# Altium PCB PCB.PcbDoc (part 2 of 2)
Units mm, origin at the board's own origin, x right, y up, seen from the top; angles counter-clockwise.
Board outline 50.2 x 86 mm, 6 copper layers (L1_Top (Sig), L2 (GND), L3 (Power), L4 (Sig), L5 (GND), L6_Bottom (Sig)), stack 1.538 mm thick; 115 components, 84 nets, 473 pads, 257 vias.
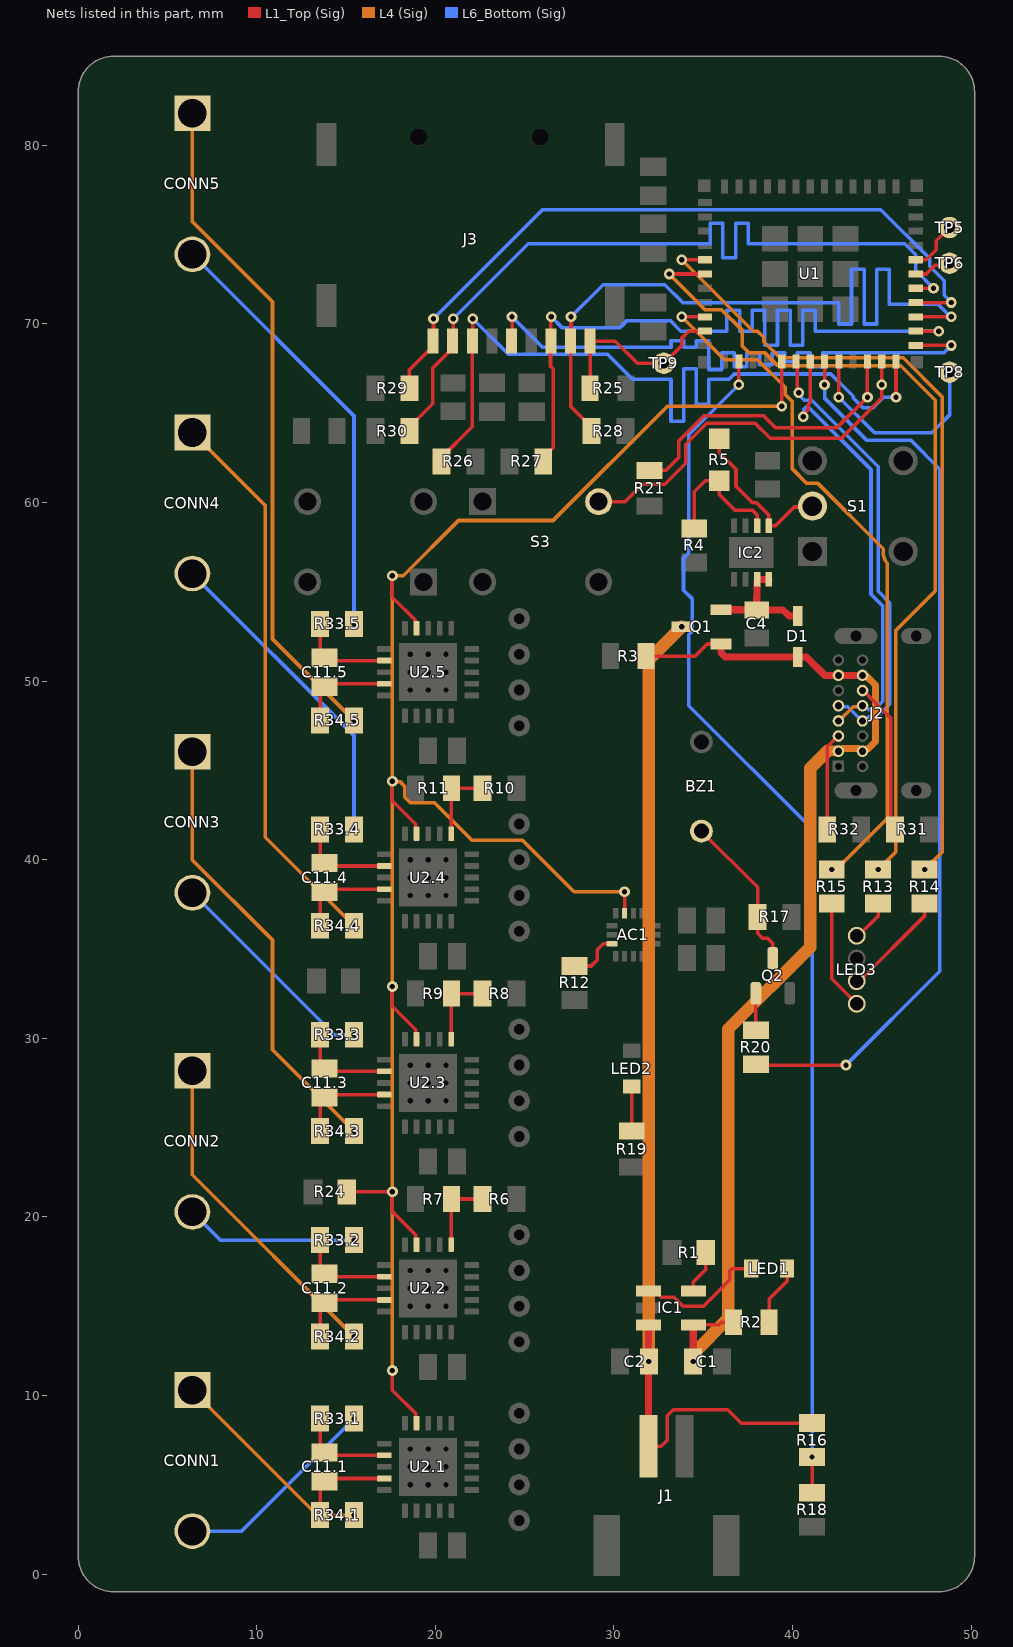
[diagram p6: the nets of this part, all layers, seen from the top]

## Via types
v1: diameter 0.6, hole 0.3, L1_Top (Sig) to L6_Bottom (Sig), tented both sides, 257 vias

## Nets (pads, with @x,y where several pads share a name; then routed paths per layer and width w, separated by ;. In a path a pad name is that pad's centre, name@x,y a point inside that pad or via, vN(x,y) a via of type N, cw(c..) or ccw(c..) an arc to the next point about the centre after c; other vN are vias at no path point) (continued)
IO7/SCL: AC1.4 R24.2 U1.16 U2.1.19 U2.2.19 U2.3.19 U2.4.19 U2.5.19 | length 110
  L1_Top (Sig) w0.2: R24.2@15.05,21.4 15.775,21.4 v1(17.6,21.4) 17.6,20.3 18.915,18.985 18.915,18.814 18.94,18.789 18.94,18.46 U2.2.19@18.95,18.45 ; v1(17.6,11.4) 17.6,10.3 18.915,8.985 18.915,8.814 18.94,8.789 18.94,8.46 U2.1.19@18.95,8.45 ; v1(17.6,32.9) 17.6,31.8 18.915,30.485 18.915,30.314 18.94,30.289 18.94,29.96 U2.3.19@18.95,29.95 ; v1(17.6,44.4) 17.6,43.3 18.915,41.985 18.915,41.814 18.94,41.789 18.94,41.46 U2.4.19@18.95,41.45 ; v1(17.6,55.9) 17.6,54.7 18.89,53.41 18.89,53.01 U2.5.19@18.95,52.95 ; AC1.4@30.6,37 v1(30.6,38.2) ; v1(39.4,65.4) U1.16@39.4,67.9
  L4 (Sig) w0.2: v1(17.6,11.4) v1(17.6,55.9) 18.209,55.9 21.305,58.996 26.596,58.996 33,65.4 v1(39.4,65.4) ; v1(17.6,44.4) 17.624,44.376 18.024,44.376 18.3,44.1 18.3,43.5 18.6,43.2 19.949,43.2 22.049,41.1 24.873,41.1 27.773,38.2 v1(30.6,38.2)
IO9/BOOT: S3.2 U1.23 | length 21.6
  L1_Top (Sig) w0.2: S3.2@29.15,60.05 30.626,60.05 31.601,61.025 32.849,61.025 34.025,62.201 34.025,63.274 35.201,64.45 37.9,64.45 38.75,63.6 42.749,63.6 45,65.851 v1(45,66.6) 45,67.3 U1.23@45,67.9
IO14: R20.1 U1.19 | length 50.8
  L1_Top (Sig) w0.2: R20.1@37.95,28.55 38,28.5 v1(43,28.5) ; v1(41.8,66.6) 41.8,67.3 U1.19@41.8,67.9
  L6_Bottom (Sig) w0.2: v1(41.8,66.6) 41.8,65.851 44.151,63.5 46.62,63.5 48.25,61.87 48.25,33.75 v1(43,28.5)
IO15: TP8.TP U1.20 | length 11.8
  L1_Top (Sig) w0.2: v1(42.6,65.9) U1.20@42.6,67.9
  L6_Bottom (Sig) w0.2: v1(42.6,65.9) 44.6,63.9 47.8,63.9 48.8,64.9 TP8.TP@48.8,67.3
IO16: TP5.TP U1.31 | length 2.9
  L1_Top (Sig) w0.2: U1.31@46.9,73.6 47.5,73.6 48.054,74.154 48.054,74.654 TP5.TP@48.8,75.4
IO17: TP6.TP U1.30 | length 2.1
  L1_Top (Sig) w0.2: U1.30@46.9,72.8 47.5,72.8 48,73.3 48.7,73.3 TP6.TP@48.8,73.4
NetAC1_8: AC1.8 R12.1 | length 3
  L1_Top (Sig) w0.2: R12.1@27.8,34.05 28.725,34.05 29.062,34.388 29.062,34.962 29.4,35.3 AC1.8@29.9,35.3
NetBZ1_1: BZ1.1 Q2.C R17.1 | length 8.9
  L1_Top (Sig) w0.2: BZ1.1@34.9,41.6 38.05,38.45 R17.1@38.05,36.8 38.05,35.875 38.333,35.593 38.617,35.593 38.9,35.31 Q2.C@38.9,34.48
NetC4_1: C4.1 D1.1 IC2.7 IC2.8 Q1.2 | length 6.8
  L1_Top (Sig) w0.4: Q1.2@36,54 37.095,54 37.105,53.99 C4.1@38,53.99 ; IC2.8@38.675,55.7 IC2.7@38.025,55.7 38.025,54.695 38,54.67 C4.1@38,53.99 ; D1.1@40.3,53.64 39.825,53.64 39.475,53.99 C4.1@38,53.99
NetC11.1_1: C11.1.1 R34.1.2 U2.1.4 | length 5.4
  L1_Top (Sig) w0.2: R34.1.2@13.55,3.3 13.55,4.94 C11.1.1@13.8,5.19 13.96,5.35 U2.1.4@17.15,5.35
NetC11.1_2: C11.1.2 R33.1.2 U2.1.2 | length 5.4
  L1_Top (Sig) w0.2: R33.1.2@13.55,8.7 13.55,7.06 C11.1.2@13.8,6.81 13.96,6.65 U2.1.2@17.15,6.65
NetC11.2_1: C11.2.1 R34.2.2 U2.2.4 | length 5.4
  L1_Top (Sig) w0.2: R34.2.2@13.55,13.3 13.55,14.94 C11.2.1@13.8,15.19 13.96,15.35 U2.2.4@17.15,15.35
NetC11.2_2: C11.2.2 R33.2.2 U2.2.2 | length 5.4
  L1_Top (Sig) w0.2: R33.2.2@13.55,18.7 13.55,17.06 C11.2.2@13.8,16.81 13.96,16.65 U2.2.2@17.15,16.65
NetC11.3_1: C11.3.1 R34.3.2 U2.3.4 | length 5.4
  L1_Top (Sig) w0.2: R34.3.2@13.55,24.8 13.55,26.44 C11.3.1@13.8,26.69 13.96,26.85 U2.3.4@17.15,26.85
NetC11.3_2: C11.3.2 R33.3.2 U2.3.2 | length 5.4
  L1_Top (Sig) w0.2: R33.3.2@13.55,30.2 13.55,28.56 C11.3.2@13.8,28.31 13.96,28.15 U2.3.2@17.15,28.15
NetC11.4_1: C11.4.1 R34.4.2 U2.4.4 | length 5.4
  L1_Top (Sig) w0.2: R34.4.2@13.55,36.3 13.55,37.94 C11.4.1@13.8,38.19 13.96,38.35 U2.4.4@17.15,38.35
NetC11.4_2: C11.4.2 R33.4.2 U2.4.2 | length 5.4
  L1_Top (Sig) w0.2: R33.4.2@13.55,41.7 13.55,40.06 C11.4.2@13.8,39.81 13.96,39.65 U2.4.2@17.15,39.65
NetC11.5_1: C11.5.1 R34.5.2 U2.5.4 | length 5.4
  L1_Top (Sig) w0.2: R34.5.2@13.55,47.8 13.55,49.44 C11.5.1@13.8,49.69 13.96,49.85 U2.5.4@17.15,49.85
NetC11.5_2: C11.5.2 R33.5.2 U2.5.2 | length 5.4
  L1_Top (Sig) w0.2: R33.5.2@13.55,53.2 13.55,51.56 C11.5.2@13.8,51.31 13.96,51.15 U2.5.2@17.15,51.15
NetIC1_1: IC1.1 LED1.1 | length 7.3
  L1_Top (Sig) w0.2: IC1.1@31.95,15.85 32.35,15.85 32.55,15.65 32.55,15.617 32.667,15.5 33.376,15.5 33.876,15 35.024,15 36.5,16.476 36.5,16.983 36.617,17.1 LED1.1@37.7,17.1
NetIC1_5: IC1.5 R1.2 | length 2.4
  L1_Top (Sig) w0.2: IC1.5@34.45,15.85 34.45,16.35 35.15,17.05 R1.2@35.15,18
NetIC2_1: IC2.1 R5.2 S1.2 | length 9.1
  L1_Top (Sig) w0.2: R5.2@35.9,63.575 35.9,62.8 36.84,61.86 36.84,60.92 37.781,59.98 37.995,59.98 38.675,59.3 IC2.1@38.675,58.7 39.05,58.7 40.102,59.752 41.072,59.752 S1.2@41.12,59.8
NetIC2_2: IC2.2 R4.1 R5.1 | length 7.7
  L1_Top (Sig) w0.2: R4.1@34.5,58.55 34.5,59.25 34.5,60.6 35.125,61.225 R5.1@35.9,61.225 35.9,60.45 36.77,59.58 37.745,59.58 38.025,59.3 IC2.2@38.025,58.7
NetJ2_A5: J2.A5 R32.2 | length 5.5
  L1_Top (Sig) w0.2: R32.2@41.95,41.7 41.95,46.334 42.541,46.925 J2.A5@42.575,46.925
NetJ2_B5: J2.B5 R31.2 | length 8.6
  L1_Top (Sig) w0.2: J2.B5@43.925,49.475 43.959,49.475 45.5,47.934 45.5,41.95 R31.2@45.75,41.7
NetLED1_2: LED1.2 R2.1 | length 3.4
  L1_Top (Sig) w0.2: R2.1@38.7,14.1 38.7,15.4 39.7,16.4 LED1.2@39.7,17.1
NetLED2_1: LED2.1 R19.2 | length 2.5
  L1_Top (Sig) w0.2: R19.2@31,24.8 31,25.475 LED2.1@31,27.3
NetLED3_1: LED3.1 R13.1 | length 2.4
  L1_Top (Sig) w0.2: LED3.1@43.6,35.74 43.69,35.74 44.8,36.85 R13.1@44.8,37.55
NetLED3_3: LED3.3 R14.1 | length 6
  L1_Top (Sig) w0.2: LED3.3@43.6,33.2 43.75,33.2 47.4,36.85 R14.1@47.4,37.55
NetLED3_4: LED3.4 R15.1 | length 6.2
  L1_Top (Sig) w0.2: R15.1@42.2,37.55 42.2,33.33 LED3.4@43.6,31.93
NetQ2_B: Q2.B R20.2 | length 2.1
  L1_Top (Sig) w0.2: R20.2@37.95,30.45 Q2.B@37.95,32.52
NetR6_1: R6.1 R7.1 U2.2.16 | length 4.3
  L1_Top (Sig) w0.2: U2.2.16@20.9,18.45 R7.1@20.9,21 R6.1@22.65,21
NetR8_1: R8.1 R9.1 U2.3.16 | length 4.3
  L1_Top (Sig) w0.2: U2.3.16@20.9,29.95 R9.1@20.9,32.5 R8.1@22.65,32.5
NetR10_1: R10.1 R11.1 U2.4.16 | length 4.3
  L1_Top (Sig) w0.2: U2.4.16@20.9,41.45 R11.1@20.9,44 R10.1@22.65,44
NetR13_2: R13.2 U1.6 | length 48
  L1_Top (Sig) w0.2: v1(33.1,72.8) U1.6@35.1,72.8
  L4 (Sig) w0.2: v1(33.1,72.8) 35.114,70.786 36.048,70.786 37.2,69.634 37.2,68.751 37.551,68.4 38.434,68.4 39.134,67.7 39.2,67.7 39.238,67.662 46.073,67.662 48,65.734 48,55.051 45.785,52.836 45.785,40.435 v1(44.8,39.45)
NetR14_2: R14.2 U1.5 | length 46.1
  L1_Top (Sig) w0.2: v1(33.8,73.6) 34.5,73.6 U1.5@35.1,73.6
  L4 (Sig) w0.2: v1(33.8,73.6) 37.8,69.6 38.049,69.6 38.4,69.249 38.4,69 39.3,68.1 46.2,68.1 48.4,65.9 48.4,40.45 v1(47.4,39.45)
NetR15_2: R15.2 U1.9 | length 39.8
  L1_Top (Sig) w0.2: v1(33.8,70.4) U1.9@35.1,70.4
  L4 (Sig) w0.2: v1(33.8,70.4) 36.2,68 38.048,68 39.6,66.448 39.6,66.049 40,65.649 40,61.88 40.808,61.071 41.429,61.071 45.026,57.474 45.082,57.418 45.082,57.26 ccw(c46.2,57.26) 45.3,56.598 45.3,42.301 42.525,39.527 42.277,39.527 v1(42.2,39.45)
NetR16_1: R16.1 R18.2 U1.13 | length 67.8
  L1_Top (Sig) w0.2: v1(37,66.6) 37,67.3 U1.13@37,67.9 ; R18.2@41.1,4.55 v1(41.1,6.55)
  L6_Bottom (Sig) w0.2: v1(37,66.6) 34.2,63.8 34.2,57.199 33.9,56.899 33.9,55.095 34.4,54.595 34.4,52.792 34.2,52.592 34.2,48.629 41.1,41.729 v1(41.1,6.55)
NetR21_1: R21.1 U1.22 | length 17
  L1_Top (Sig) w0.2: R21.1@32,61.8 32.925,61.8 33.625,62.5 33.625,63.44 35.035,64.85 38.388,64.85 39.038,64.2 42.5,64.2 v1(44.2,65.9) U1.22@44.2,67.9
SD_CD: J3.P9 R25.1 TP9.TP U1.10 | length 10.6
  L1_Top (Sig) w0.2: R25.1@28.676,66.4 J3.P9@28.676,69.042 30.086,69.042 31.328,67.8 TP9.TP@32.8,67.8 33.813,68.813 33.813,69.213 34.2,69.6 U1.10@35.1,69.6
SD_CLK: J3.P5 U1.25 | length 38
  L1_Top (Sig) w0.2: J3.P5@24.276,69.042 24.3,69.066 v1(24.3,70.4) ; U1.25@46.9,68.8 v1(48.9,68.8)
  L6_Bottom (Sig) w0.2: v1(24.3,70.4) 26,68.7 33.099,68.7 33.199,68.7 33.199,69.051 33.907,69.051 33.907,68.7 34.615,68.7 34.615,69.051 35.323,69.051 35.323,67.45 36.031,67.45 36.031,68.4 36.739,68.4 36.739,67.6 37.447,67.6 37.447,68.4 38.155,68.4 38.155,67.711 38.863,67.711 38.863,68.4 39.571,68.4 39.571,67.896 40.279,67.896 40.279,68.4 40.987,68.4 40.987,67.6 41.695,67.6 41.695,68.4 41.838,68.4 48.5,68.4 v1(48.9,68.8)
SD_CMD: J3.P3 R26.2 U1.24 | length 45.8
  L1_Top (Sig) w0.2: R26.2@20.35,62.3 20.35,62.525 22.076,64.251 J3.P3@22.076,69.042 22.1,69.066 v1(22.1,70.3) ; v1(45.8,65.9) U1.24@45.8,67.9
  L6_Bottom (Sig) w0.2: v1(22.1,70.3) 24.1,68.3 29.649,68.3 31.049,66.9 32.392,66.9 33.2,66.9 33.2,64.56 33.908,64.56 33.908,67.5 34.616,67.5 34.616,65.489 35.324,65.489 35.324,66.9 35.846,66.9 36.451,66.9 36.751,67.2 42.149,67.2 43.4,65.949 43.4,65.851 43.951,65.3 44.522,65.3 45.122,65.9 v1(45.8,65.9)
SD_D0: J3.P7 R27.2 U1.26 | length 44.6
  L1_Top (Sig) w0.2: R27.2@26.05,62.3 26.05,62.525 26.6,63.075 26.6,67.5 26.451,67.649 26.451,69.018 J3.P7@26.476,69.042 26.476,70.376 v1(26.5,70.4) ; U1.26@46.9,69.6 47.5,69.6 v1(48.2,69.6)
  L6_Bottom (Sig) w0.2: v1(26.5,70.4) 27.1,69.8 30.349,69.8 30.739,70.19 33.162,70.19 33.751,69.6 36.231,69.6 36.331,69.6 36.331,70.763 37.039,70.763 37.039,69.6 37.747,69.6 37.747,70.763 38.455,70.763 38.455,68.8 39.163,68.8 39.163,70.763 39.871,70.763 39.871,68.8 40.579,68.8 40.579,70.763 41.287,70.763 41.287,69.6 41.66,69.6 v1(48.2,69.6)
SD_D1: J3.P8 R28.2 U1.27 | length 44
  L1_Top (Sig) w0.2: v1(27.6,70.4) 27.6,69.066 J3.P8@27.576,69.042 27.576,65.399 28.75,64.225 R28.2@28.75,64 ; U1.27@46.9,70.4 v1(48.9,70.4)
  L6_Bottom (Sig) w0.2: v1(27.6,70.4) 29.4,72.2 32.851,72.2 33.851,71.2 41.792,71.2 41.892,71.2 42.6,71.2 42.6,70 43.308,70 43.308,73.053 44.016,73.053 44.016,70 44.724,70 44.724,73.053 45.432,73.053 45.432,71.1 46.092,71.1 48.151,71.1 48.851,70.4 v1(48.9,70.4)
SD_D2: J3.P1 R29.2 U1.28 | length 40.9
  L1_Top (Sig) w0.2: R29.2@18.55,66.4 18.55,67.425 19.567,68.442 19.666,68.442 19.876,68.652 J3.P1@19.876,69.042 19.9,69.066 v1(19.9,70.3) ; U1.28@46.9,71.2 47.958,71.2 v1(48.9,71.2)
  L6_Bottom (Sig) w0.2: v1(19.9,70.3) 26,76.4 44.949,76.4 47.686,73.663 47.686,73.241 48.5,72.427 48.5,71.6 v1(48.9,71.2)
SD_D3: J3.P2 R30.2 U1.29 | length 44.5
  L1_Top (Sig) w0.2: R30.2@18.55,64 18.55,64.225 19.858,65.533 19.858,67.534 20.976,68.652 J3.P2@20.976,69.042 21,69.066 v1(21,70.3) ; U1.29@47.083,72 v1(47.9,72)
  L6_Bottom (Sig) w0.2: v1(21,70.3) 25.2,74.5 35.3,74.5 35.4,74.5 35.4,75.645 36.108,75.645 36.108,73.7 36.816,73.7 36.816,75.645 37.524,75.645 37.524,74.5 37.743,74.5 46.283,74.5 46.9,73.883 46.9,73 v1(47.9,72)
TC+_CH1: CONN1.2 R33.1.1 | length 11.7
  L6_Bottom (Sig) w0.2: CONN1.2@6.4,2.4 9.15,2.4 v1(15.45,8.7)
TC+_CH2: CONN2.2 R33.2.1 | length 9.7
  L6_Bottom (Sig) w0.2: CONN2.2@6.4,20.275 7.975,18.7 v1(15.45,18.7)
TC+_CH3: CONN3.2 R33.3.1 | length 12.3
  L6_Bottom (Sig) w0.2: CONN3.2@6.4,38.15 14.35,30.2 v1(15.45,30.2)
TC+_CH4: CONN4.2 R33.4.1 | length 18.1
  L6_Bottom (Sig) w0.2: CONN4.2@6.4,56.025 6.4,56.001 15.45,46.952 v1(15.45,41.7)
TC+_CH5: CONN5.2 R33.5.1 | length 24.4
  L6_Bottom (Sig) w0.2: CONN5.2@6.4,73.9 15.45,64.85 v1(15.45,53.2)
TC-_CH1: CONN1.1 R34.1.1 | length 11.9
  L4 (Sig) w0.2: CONN1.1@6.4,10.3 13.4,3.3 v1(15.45,3.3)
TC-_CH2: CONN2.1 R34.2.1 | length 18.6
  L4 (Sig) w0.2: CONN2.1@6.4,28.175 6.4,22.35 v1(15.45,13.3)
TC-_CH3: CONN3.1 R34.3.1 | length 25
  L4 (Sig) w0.2: CONN3.1@6.4,46.05 6.4,39.989 10.887,35.502 10.887,29.363 v1(15.45,24.8)
TC-_CH4: CONN4.1 R34.4.1 | length 31.4
  L4 (Sig) w0.2: CONN4.1@6.4,63.925 10.487,59.838 10.487,41.263 v1(15.45,36.3)
TC-_CH5: CONN5.1 R34.5.1 | length 37.7
  L4 (Sig) w0.2: CONN5.1@6.4,81.8 6.4,75.738 10.887,71.252 10.887,52.363 v1(15.45,47.8)
USB_N: J2.A7 J2.B7 U1.17 | length 25.2
  L1_Top (Sig) w0.2: U1.17@40.2,67.9 40.274,67.826 40.274,66.223 v1(40.349,66.149)
  L6_Bottom (Sig) w0.2: v1(40.349,66.149) 40.349,66.04 40.662,65.726 41.088,65.726 44.8,62.014 44.8,55.03 45.455,54.375 45.455,48.705 44.75,48 44.267,48 44.042,47.775 J2.B7@43.925,47.775 43.891,47.775 43.1,48.566 42.634,48.566 J2.A7@42.575,48.625
USB_P: J2.A6 J2.B6 U1.18 | length 25.3
  L1_Top (Sig) w0.2: v1(40.6,64.8) 40.6,64.908 40.891,65.199 40.891,65.499 41,65.608 U1.18@41,67.9
  L4 (Sig) w0.2: J2.A6@42.575,47.775 42.609,47.775 43.4,48.566 43.866,48.566 J2.B6@43.925,48.625
  L6_Bottom (Sig) w0.2: v1(40.6,64.8) 40.639,64.839 40.639,65.209 40.756,65.326 40.922,65.326 44.4,61.849 44.4,54.865 45.055,54.21 45.055,48.871 44.584,48.4 44.267,48.4 44.042,48.625 J2.B6@43.925,48.625
V_BATT: C2.2 IC1.3 J1.1 Q1.3 R16.2 | length 59.8
  L1_Top (Sig) w0.2: J1.1@31.95,7.15 32.65,7.15 32.988,7.488 32.988,8.862 33.326,9.2 36.375,9.2 37.125,8.45 R16.2@41.1,8.45
  L1_Top (Sig) w0.4: J1.1@31.95,7.15 v1(31.95,11.9) 31.95,13.45 IC1.3@31.95,13.95
  L4 (Sig) w0.7: v1(31.95,11.9) 31.95,51.19 v1(33.8,53.04)
V_USB: C1.2 D1.2 IC1.4 J2.A4 J2.A9 J2.B4 J2.B9 Q1.1 R2.2 R3.2 | length 62.2
  L1_Top (Sig) w0.2: R3.2@31.8,51.4 34.545,51.4 35.225,52.08 Q1.1@36,52.08 ; IC1.4@34.45,13.95 35.875,13.95 36.025,14.1 R2.2@36.7,14.1
  L1_Top (Sig) w0.4: v1(34.45,11.9) IC1.4@34.45,13.95 ; Q1.1@36,52.08 36,51.594 36.234,51.36 D1.2@40.3,51.36 40.775,51.36 41.81,50.325 J2.A9@42.575,50.325 J2.B4@43.925,50.325
  L4 (Sig) w0.4: J2.A4@42.553,46.097 J2.A4@42.575,46.075 42.643,46.075 42.789,46.222 43.711,46.222 43.857,46.075 43.993,46.075 44.118,46.2 44.225,46.2 44.65,46.625 44.65,49.775 44.148,50.277 43.995,50.277 J2.B4@43.936,50.336
  L4 (Sig) w0.6: 41.974,46.097 J2.A4@42.553,46.097
  L4 (Sig) w0.7: v1(34.45,11.9) 34.463,11.913 34.463,12.36 36.4,14.297 36.4,30.507 41,35.107 41,45.122 41.974,46.097
pads on no net: AC1.2 AC1.3 AC1.9 AC1.11 AC1.13 AC1.15 AC1.16 IC2.3 IC2.4 IC2.6 J1.3 J1.4 J2.A8 J2.B8 J3. S1.1 S1.S1 S1.S2 S2.1 S2.3 S3.1 S3.3 U1.4 U1.7 U1.12 U1.21 U1.32 U1.33 U1.34 U1.35

## Polygon pours and split planes (outlines as drawn)
GND on L2 (GND) "NONET_L01_P-001" (solid, remove dead copper, shelved, pour order 2): -0.028,85 49.972,85 49.972,-0.999 -0.028,-0.999
3.3V on L3 (Power) "NONET_L01_P-001" (solid, remove dead copper, shelved, pour order 3): -0.028,85 49.972,85 49.972,-0.999 -0.028,-0.999
GND on L4 (Sig) "NONET_L01_P-001" (solid, remove dead copper, shelved, pour order 4): -0.028,85 49.972,85 49.972,-0.999 -0.028,-0.999
GND on L5 (GND) "NONET_L01_P-001" (solid, remove dead copper, shelved, pour order 5): -0.028,85 49.972,85 49.972,-0.999 -0.028,-0.999
GND on L1_Top (Sig) "NONET_L01_P-001" (solid, remove dead copper, shelved, pour order 0): -0.028,85 49.972,85 49.972,-0.999 -0.028,-0.999
GND on L6_Bottom (Sig) "NONET_L01_P-001" (solid, remove dead copper, shelved, pour order 1): -0.028,85 49.972,85 49.972,-0.999 -0.028,-0.999

## Other copper
L1_Top (Sig):
  pour cut-out: 33.377,85 50,85 50,78.084 33.416,78.084 33.4,78.1
L2 (GND):
  pour cut-out: 33.377,85 50,85 50,78.084 33.416,78.084 33.4,78.1
L3 (Power):
  pour cut-out: 33.377,85 50,85 50,78.084 33.416,78.084 33.4,78.1
L4 (Sig):
  pour cut-out: 33.377,85 50,85 50,78.084 33.416,78.084 33.4,78.1
L5 (GND):
  pour cut-out: 33.377,85 50,85 50,78.084 33.416,78.084 33.4,78.1
L6_Bottom (Sig):
  pour cut-out: 33.377,85 50,85 50,78.084 33.416,78.084 33.4,78.1

## Silkscreen, mask and mechanical layers (free items; w line width, h text height)
Top Overlay:
  drawing of 57 lines, arcs and shapes, not listed
  text "A" at 47.554,34.154 h1.52
  text "BOARD_PWR" at 34.023,25.5 h1 r90
  text "A" at 46.354,20.254 h1.52
  text "BAT_CHARGE" at 36.1,19.477 h1
Board Layer Stack Bottom Overlay:
  lines w0.254: 32,1 48.5,1 48.5,11 32,11 32,1
  text "Project (E) 448" at 48,9.288 h1.52
  text "Estiaan Botha" at 48,7.516 h1.52
  text "STD#: 21337985" at 48,5.517 h1.52
  text "Supervisor: Rensu Theart" at 48,3.771 h1.52
  text "2025" at 48.001,2.017 h1.52
Board Shape:
  lines w0.1: 0,0.986 0,82.99 ; 0,1 ccw(c2,1) 2,-1 ; 0,83 cw(c2,83) 2,85 ; 2.014,85 48.2,85 cw(c48.2,83) 50.2,83 50.2,0.99 ; 2.032,-1 48.206,-1 ; 48.2,-1 ccw(c48.2,1) 50.2,1
Drill Drawing:
  circle w0.254: c63.528,62.639 r0.847
  circle w0.254: c63.528,35.969 r0.508
  circle w0.254: c63.528,35.969 r0.847
  lines w0.254: 62.682,38.932 64.375,38.932 64.375,40.625 62.682,40.625 62.682,38.932 ; 62.682,42.742 63.528,43.165 64.375,42.742 63.952,43.589 64.375,44.435 63.528,44.012 62.682,44.435 63.105,43.589 62.682,42.742 ; 62.682,46.552 62.682,46.975 63.105,47.399 62.682,47.822 62.682,48.245 63.105,48.245 63.528,47.822 63.952,48.245 64.375,48.245 64.375,47.822 63.952,47.399 64.375,46.975 64.375,46.552 63.952,46.552 63.528,46.975 63.105,46.552 62.682,46.552 ; 62.682,50.785 63.105,50.785 63.528,50.362 63.952,50.785 64.375,50.785 63.952,51.209 64.375,51.632 63.952,51.632 63.528,52.055 63.105,51.632 62.682,51.632 63.105,51.209 62.682,50.785 ; 62.682,55.019 63.528,54.172 64.375,55.019 63.528,55.865 62.682,55.019 ; 62.682,59.675 64.375,59.675 63.528,57.982 62.682,59.675 ; 62.682,66.025 63.105,66.025 63.105,65.602 63.952,65.602 63.952,66.025 64.375,66.025 64.375,66.872 63.952,66.872 63.952,67.295 63.105,67.295 63.105,66.872 62.682,66.872 62.682,66.025 ; 62.682,69.835 63.105,69.835 63.528,69.412 63.952,69.835 64.375,69.835 63.952,70.259 64.375,70.682 63.952,70.682 63.528,71.105 63.105,70.682 62.682,70.682 63.105,70.259 62.682,69.835 ; 62.682,73.222 64.375,73.222 64.375,74.915 62.682,74.915 62.682,73.222 ; 63.02,39.271 64.036,39.271 64.036,40.287 63.02,40.287 63.02,39.271 ; 63.02,50.955 63.274,50.955 63.528,50.701 63.782,50.955 64.036,50.955 63.782,51.209 64.036,51.463 63.782,51.463 63.528,51.717 63.274,51.463 63.02,51.463 63.274,51.209 63.02,50.955
  lines w0.381: 61.163,33.979 417.475,33.979 ; 61.163,75.889 417.475,75.889 ; 75.155,30.169 75.155,79.699 ; 90.391,30.169 90.391,79.699 ; 118.323,30.169 118.323,79.699 ; 131.172,30.169 131.172,79.699 ; 149.811,30.169 149.811,79.699 ; 195.263,30.169 195.263,79.699 ; 210.245,30.169 210.245,79.699 ; 229.189,30.169 229.189,79.699 ; 264.738,30.169 264.738,79.699 ; 286.424,30.169 286.424,79.699 ; 320.297,30.169 320.297,79.699 ; 354.171,30.169 354.171,79.699 ; 381.849,30.169 381.849,79.699 ; 61.163,30.169 417.475,30.169 417.475,79.699 61.163,79.699 61.163,30.169
  text "Symbol" at 63.449,77.032 h1.83
  text "Count" at 76.298,77.032 h1.83
  text "Hole Size" at 91.534,77.032 h1.83
  text "Plated" at 119.466,77.032 h1.83
  text "Hole Type" at 132.315,77.032 h1.83
  text "Drill Layer Pair" at 150.954,77.032 h1.83
  text "Via/Pad" at 196.406,77.032 h1.83
  text "Pad Shape" at 211.388,77.032 h1.83
  text "Template" at 230.332,77.032 h1.83
  text "Description" at 265.881,77.032 h1.83
  text "Hole Tolerance (+)" at 287.567,77.032 h1.83
  text "Hole Tolerance (-)" at 321.44,77.032 h1.83
  text "Hole Length" at 355.314,77.032 h1.83
  text "Routed Path Length" at 382.992,77.032 h1.83
  text "302" at 76.298,73.222 h1.52
  text "0.300mm (11.81mil)" at 91.534,73.222 h1.52
  text "PTH" at 119.466,73.222 h1.52
  text "Round" at 132.315,73.222 h1.52
  text "L1_Top (Sig) - L6_Bottom (Sig)" at 150.954,73.222 h1.52
  text "(Mixed)" at 196.406,73.222 h1.52
  text "Rounded" at 211.388,73.222 h1.52
  text "(Mixed)" at 230.332,73.222 h1.52
  text "-" at 355.314,73.222 h1.52
  text "-" at 382.992,73.222 h1.52
  text "16" at 76.298,69.412 h1.52
  text "0.400mm (15.75mil)" at 91.534,69.412 h1.52
  text "PTH" at 119.466,69.412 h1.52
  text "Round" at 132.315,69.412 h1.52
  text "L1_Top (Sig) - L6_Bottom (Sig)" at 150.954,69.412 h1.52
  text "Pad" at 196.406,69.412 h1.52
  text "Rounded" at 211.388,69.412 h1.52
  text "(Mixed)" at 230.332,69.412 h1.52
  text "-" at 355.314,69.412 h1.52
  text "-" at 382.992,69.412 h1.52
  text "24" at 76.298,65.602 h1.52
  text "0.600mm (23.62mil)" at 91.534,65.602 h1.52
  text "PTH" at 119.466,65.602 h1.52
  text "Round" at 132.315,65.602 h1.52
  text "L1_Top (Sig) - L6_Bottom (Sig)" at 150.954,65.602 h1.52
  text "Pad" at 196.406,65.602 h1.52
  text "Rounded" at 211.388,65.602 h1.52
  text "c120h60m120p0" at 230.332,65.602 h1.52
  text "-" at 355.314,65.602 h1.52
  text "-" at 382.992,65.602 h1.52
  text "2" at 76.298,61.792 h1.52
  text "0.600mm (23.62mil)" at 91.534,61.792 h1.52
  text "PTH" at 119.466,61.792 h1.52
  text "Slot" at 132.315,61.792 h1.52
  text "L1_Top (Sig) - L6_Bottom (Sig)" at 150.954,61.792 h1.52
  text "Pad" at 196.406,61.792 h1.52
  text "Rounded" at 211.388,61.792 h1.52
  text "r170_90h60_140r45m0mx0" at 230.332,61.792 h1.52
  text "1.400mm (55.12mil)" at 355.314,61.792 h1.52
  text "0.800mm (31.50mil)" at 382.992,61.792 h1.52
  text "2" at 76.298,57.982 h1.52
  text "0.600mm (23.62mil)" at 91.534,57.982 h1.52
  text "PTH" at 119.466,57.982 h1.52
  text "Slot" at 132.315,57.982 h1.52
  text "L1_Top (Sig) - L6_Bottom (Sig)" at 150.954,57.982 h1.52
  text "Pad" at 196.406,57.982 h1.52
  text "Rounded" at 211.388,57.982 h1.52
  text "r240_90h60_210r45m0mx0" at 230.332,57.982 h1.52
  text "2.100mm (82.68mil)" at 355.314,57.982 h1.52
  text "1.500mm (59.06mil)" at 382.992,57.982 h1.52
  text "4" at 76.298,54.172 h1.52
  text "0.750mm (29.53mil)" at 91.534,54.172 h1.52
  text "PTH" at 119.466,54.172 h1.52
  text "Round" at 132.315,54.172 h1.52
  text "L1_Top (Sig) - L6_Bottom (Sig)" at 150.954,54.172 h1.52
  text "Pad" at 196.406,54.172 h1.52
  text "Rounded" at 211.388,54.172 h1.52
  text "c100h75m100p0" at 230.332,54.172 h1.52
  text "-" at 355.314,54.172 h1.52
  text "-" at 382.992,54.172 h1.52
  text "2" at 76.298,50.362 h1.52
  text "0.850mm (33.47mil)" at 91.534,50.362 h1.52
  text "PTH" at 119.466,50.362 h1.52
  text "Round" at 132.315,50.362 h1.52
  text "L1_Top (Sig) - L6_Bottom (Sig)" at 150.954,50.362 h1.52
  text "Pad" at 196.406,50.362 h1.52
  text "Rounded" at 211.388,50.362 h1.52
  text "c128h85m0mx0" at 230.332,50.362 h1.52
  text "-" at 355.314,50.362 h1.52
  text "-" at 382.992,50.362 h1.52
  text "2" at 76.298,46.552 h1.52
  text "0.950mm (37.40mil)" at 91.534,46.552 h1.52
  text "NPTH" at 119.466,46.552 h1.52
  text "Round" at 132.315,46.552 h1.52
  text "L1_Top (Sig) - L6_Bottom (Sig)" at 150.954,46.552 h1.52
  text "Pad" at 196.406,46.552 h1.52
  text "Rounded" at 211.388,46.552 h1.52
  text "c95hn95m0mx0" at 230.332,46.552 h1.52
  text "-" at 355.314,46.552 h1.52
  text "-" at 382.992,46.552 h1.52
  text "8" at 76.298,42.742 h1.52
  text "1.000mm (39.37mil)" at 91.534,42.742 h1.52
  text "PTH" at 119.466,42.742 h1.52
  text "Round" at 132.315,42.742 h1.52
  text "L1_Top (Sig) - L6_Bottom (Sig)" at 150.954,42.742 h1.52
  text "Pad" at 196.406,42.742 h1.52
  text "Rounded" at 211.388,42.742 h1.52
  text "(Mixed)" at 230.332,42.742 h1.52
  text "-" at 355.314,42.742 h1.52
  text "-" at 382.992,42.742 h1.52
  text "5" at 76.298,38.932 h1.52
  text "1.090mm (42.91mil)" at 91.534,38.932 h1.52
  text "PTH" at 119.466,38.932 h1.52
  text "Round" at 132.315,38.932 h1.52
  text "L1_Top (Sig) - L6_Bottom (Sig)" at 150.954,38.932 h1.52
  text "Pad" at 196.406,38.932 h1.52
  text "(Mixed)" at 211.388,38.932 h1.52
  text "(Mixed)" at 230.332,38.932 h1.52
  text "-" at 355.314,38.932 h1.52
  text "-" at 382.992,38.932 h1.52
  text "10" at 76.298,35.122 h1.52
  text "1.600mm (62.99mil)" at 91.534,35.122 h1.52
  text "PTH" at 119.466,35.122 h1.52
  text "Round" at 132.315,35.122 h1.52
  text "L1_Top (Sig) - L6_Bottom (Sig)" at 150.954,35.122 h1.52
  text "Pad" at 196.406,35.122 h1.52
  text "(Mixed)" at 211.388,35.122 h1.52
  text "(Mixed)" at 230.332,35.122 h1.52
  text "-" at 355.314,35.122 h1.52
  text "-" at 382.992,35.122 h1.52
  text "377 Total" at 76.298,31.312 h1.52
  text "Slot definitions :" at 63.449,27.629 h1.52
  text "Routed Path Length" at 89.679,27.629 h1.52
  text "= Calculated from tool start centre position to tool end centre position." at 117.687,27.629 h1.52
  text "Hole Length" at 89.679,25.09 h1.52
  text "= Routed Path Length + Tool Size = Slot length as defined in the PCB layout" at 107.277,25.09 h1.52
Fab Notes:
  drawing of 399 lines, arcs and shapes, not listed
  text "Layer" at 62.881,18.794 h1.52
  text "Name" at 73.293,18.794 h1.52
  text "Material" at 124.078,18.794 h1.52
  text "Thickness" at 145.916,18.794 h1.52
  text "Constant" at 162.422,18.794 h1.52
  text "Board Layer Stack" at 176.896,18.794 h1.52
  text "Top Overlay" at 73.293,15.746 h1.52
  text "Top Solder" at 73.293,12.698 h1.52
  text "Solder Resist" at 124.078,12.698 h1.52
  text "0.010mm" at 145.916,12.698 h1.52
  text "3.5" at 162.422,12.698 h1.52
  text "1" at 62.881,9.65 h1.52
  text "L1_Top (Sig)" at 73.293,9.65 h1.52
  text "0.035mm" at 145.916,9.65 h1.52
  text "Dielectric1" at 73.293,6.602 h1.52
  text "Prepreq 3313" at 124.078,6.602 h1.52
  text "0.099mm" at 145.916,6.602 h1.52
  text "4.1" at 162.422,6.602 h1.52
  text "2" at 62.881,3.554 h1.52
  text "L2 (GND)" at 73.293,3.554 h1.52
  text "0.015mm" at 145.916,3.554 h1.52
  text "Core1" at 73.293,0.506 h1.52
  text "FR-4" at 124.078,0.506 h1.52
  text "0.550mm" at 145.916,0.506 h1.52
  text "4.6" at 162.422,0.506 h1.52
  text "3" at 62.881,-2.542 h1.52
  text "L3 (Power)" at 73.293,-2.542 h1.52
  text "0.015mm" at 145.916,-2.542 h1.52
  text "Dielectric2" at 73.293,-5.59 h1.52
  text "Prepreq 2116" at 124.078,-5.59 h1.52
  text "0.109mm" at 145.916,-5.59 h1.52
  text "4.16" at 162.422,-5.59 h1.52
  text "4" at 62.881,-8.638 h1.52
  text "L4 (Sig)" at 73.293,-8.638 h1.52
  text "0.015mm" at 145.916,-8.638 h1.52
  text "Core2" at 73.293,-11.686 h1.52
  text "FR-4" at 124.078,-11.686 h1.52
  text "0.550mm" at 145.916,-11.686 h1.52
  text "4.6" at 162.422,-11.686 h1.52
  text "5" at 62.881,-14.734 h1.52
  text "L5 (GND)" at 73.293,-14.734 h1.52
  text "0.015mm" at 145.916,-14.734 h1.52
  text "Dielectric3" at 73.293,-17.782 h1.52
  text "Prepreq 3313" at 124.078,-17.782 h1.52
  text "0.099mm" at 145.916,-17.782 h1.52
  text "4.1" at 162.422,-17.782 h1.52
  text "6" at 62.881,-20.83 h1.52
  text "L6_Bottom (Sig)" at 73.293,-20.83 h1.52
  text "0.035mm" at 145.916,-20.83 h1.52
  text "Board Layer Stack Bottom Solder" at 73.293,-23.878 h1.52
  text "Solder Resist" at 124.078,-23.878 h1.52
  text "0.010mm" at 145.916,-23.878 h1.52
  text "3.5" at 162.422,-23.878 h1.52
  text "Board Layer Stack Bottom Overlay" at 73.293,-26.926 h1.52
  text "Total board thickness:" at 62.881,-29.974 h1.52
  text "1.558mm" at 145.916,-29.974 h1.52

## Text inside footprints (layer, text, board x,y; h text height)
CONN1: Top Overlay "+" at 7.767,2.686 h0.7 r270; Top Overlay "-" at 7.68,10.535 h0.7 r270
CONN2: Top Overlay "+" at 7.767,20.561 h0.7 r270; Top Overlay "-" at 7.68,28.41 h0.7 r270
CONN3: Top Overlay "+" at 7.767,38.436 h0.7 r270; Top Overlay "-" at 7.68,46.285 h0.7 r270
CONN4: Top Overlay "+" at 7.767,56.311 h0.7 r270; Top Overlay "-" at 7.68,64.16 h0.7 r270
CONN5: Top Overlay "-" at 7.68,82.035 h0.7 r270; Top Overlay "+" at 7.767,74.186 h0.7 r270
J2: Mechanical 18 "PCB EDGE" at 48.5,53.7 h0.81 r90